# Altium PCB FlatSat Half 2.PcbDoc (part 3 of 9)
Units mil, origin at the board's own origin, x right, y up, seen from the top; angles counter-clockwise.
Board outline 4682 x 11604 mil, 4 copper layers (Top Layer, STR GND 1, STR GND 2, Bottom Layer), stack 33.434 mil thick; 231 components, 255 nets, 990 pads, 1104 vias.
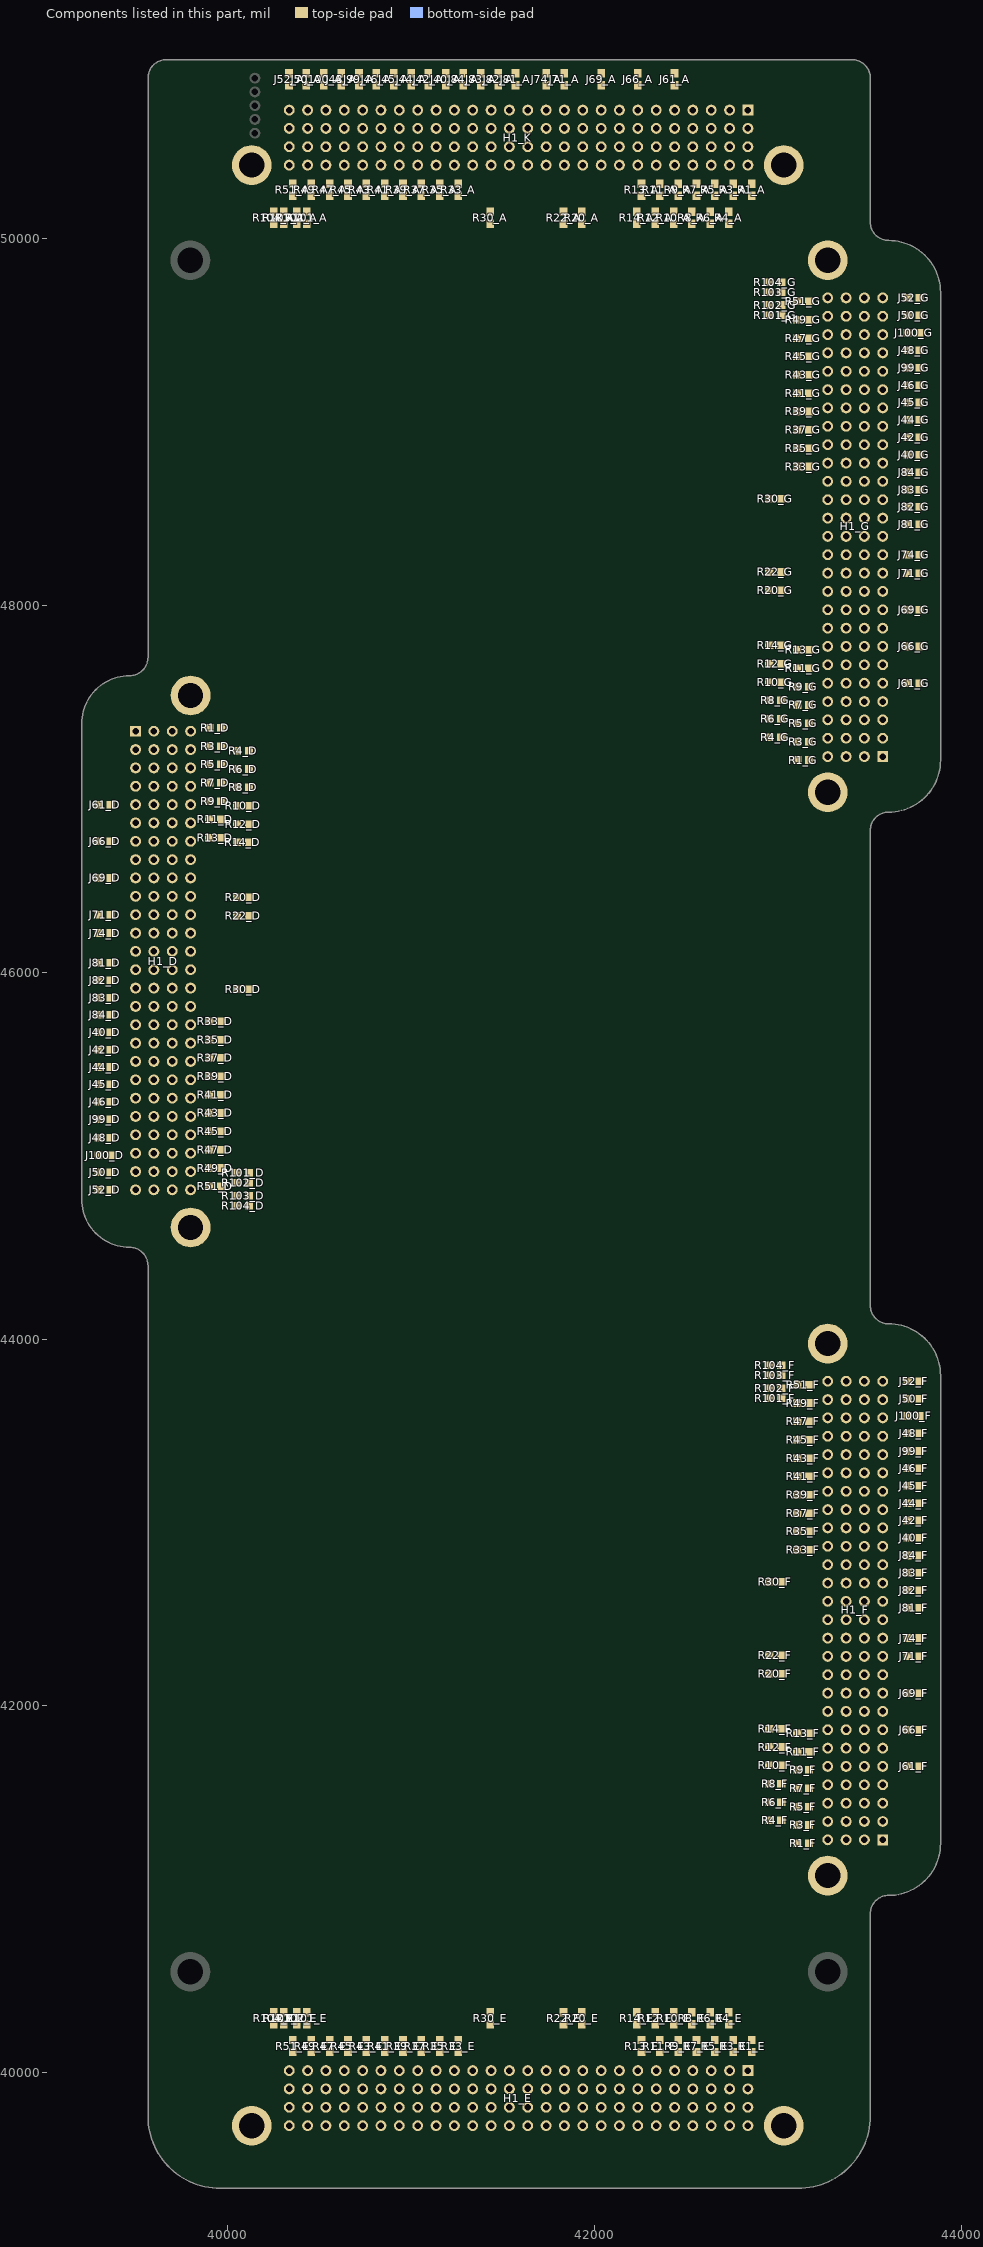
[diagram p5: the components of this part, seen from the top]

## Design rules (kind name [scope] priority, off if disabled: settings) (continued)
Width "Schematic Width Constraint_1008" [InNet('GND_16')] p80: maxlimit=26 minlimit=8 preferedwidth=26
Width "Schematic Width Constraint_1007" [InNet('GND_15')] p81: maxlimit=26 minlimit=8 preferedwidth=26
Width "Schematic Width Constraint_1006" [InNet('GND_15')] p82: maxlimit=26 minlimit=8 preferedwidth=26
Width "Schematic Width Constraint_1005" [InNet('GND_15')] p83: maxlimit=26 minlimit=8 preferedwidth=26
Width "Schematic Width Constraint_1004" [InNet('GND_15')] p84: maxlimit=26 minlimit=8 preferedwidth=26
Width "Schematic Width Constraint_1003" [InNet('GND_15')] p85: maxlimit=26 minlimit=8 preferedwidth=26
Width "Schematic Width Constraint_1002" [InNet('GND_15')] p86: maxlimit=26 minlimit=8 preferedwidth=26
Width "Schematic Width Constraint_1001" [InNet('GND_15')] p87: maxlimit=26 minlimit=8 preferedwidth=26
Width "Schematic Width Constraint_1000" [InNet('GND_15')] p88: maxlimit=26 minlimit=8 preferedwidth=26
Width "Schematic Width Constraint_999" [InNet('GND_14')] p89: maxlimit=26 minlimit=8 preferedwidth=26
Width "Schematic Width Constraint_998" [InNet('GND_14')] p90: maxlimit=26 minlimit=8 preferedwidth=26
Width "Schematic Width Constraint_997" [InNet('GND_14')] p91: maxlimit=26 minlimit=8 preferedwidth=26
Width "Schematic Width Constraint_996" [InNet('GND_14')] p92: maxlimit=26 minlimit=8 preferedwidth=26
Width "Schematic Width Constraint_995" [InNet('GND_14')] p93: maxlimit=26 minlimit=8 preferedwidth=26
Width "Schematic Width Constraint_994" [InNet('GND_14')] p94: maxlimit=26 minlimit=8 preferedwidth=26
Width "Schematic Width Constraint_993" [InNet('GND_14')] p95: maxlimit=26 minlimit=8 preferedwidth=26
Width "Schematic Width Constraint_992" [InNet('GND_14')] p96: maxlimit=26 minlimit=8 preferedwidth=26
Width "Schematic Width Constraint_991" [InNet('GND_13')] p97: maxlimit=26 minlimit=8 preferedwidth=26
Width "Schematic Width Constraint_990" [InNet('GND_13')] p98: maxlimit=26 minlimit=8 preferedwidth=26
Width "Schematic Width Constraint_989" [InNet('GND_13')] p99: maxlimit=26 minlimit=8 preferedwidth=26
Width "Schematic Width Constraint_988" [InNet('GND_13')] p100: maxlimit=26 minlimit=8 preferedwidth=26
Width "Schematic Width Constraint_987" [InNet('GND_13')] p101: maxlimit=26 minlimit=8 preferedwidth=26
Width "Schematic Width Constraint_986" [InNet('GND_13')] p102: maxlimit=26 minlimit=8 preferedwidth=26
Width "Schematic Width Constraint_985" [InNet('GND_13')] p103: maxlimit=26 minlimit=8 preferedwidth=26
Width "Schematic Width Constraint_984" [InNet('GND_13')] p104: maxlimit=26 minlimit=8 preferedwidth=26
Width "Schematic Width Constraint_983" [InNet('GND_12')] p105: maxlimit=26 minlimit=8 preferedwidth=26
Width "Schematic Width Constraint_982" [InNet('GND_12')] p106: maxlimit=26 minlimit=8 preferedwidth=26
Width "Schematic Width Constraint_981" [InNet('GND_12')] p107: maxlimit=26 minlimit=8 preferedwidth=26
Width "Schematic Width Constraint_980" [InNet('GND_12')] p108: maxlimit=26 minlimit=8 preferedwidth=26
Width "Schematic Width Constraint_979" [InNet('GND_12')] p109: maxlimit=26 minlimit=8 preferedwidth=26
Width "Schematic Width Constraint_978" [InNet('GND_12')] p110: maxlimit=26 minlimit=8 preferedwidth=26
Width "Schematic Width Constraint_977" [InNet('GND_12')] p111: maxlimit=26 minlimit=8 preferedwidth=26
Width "Schematic Width Constraint_976" [InNet('GND_12')] p112: maxlimit=26 minlimit=8 preferedwidth=26
Width "Schematic Width Constraint_975" [InNet('GND_11')] p113: maxlimit=26 minlimit=8 preferedwidth=26
Width "Schematic Width Constraint_974" [InNet('GND_11')] p114: maxlimit=26 minlimit=8 preferedwidth=26
Width "Schematic Width Constraint_973" [InNet('GND_11')] p115: maxlimit=26 minlimit=8 preferedwidth=26
Width "Schematic Width Constraint_972" [InNet('GND_11')] p116: maxlimit=26 minlimit=8 preferedwidth=26
Width "Schematic Width Constraint_971" [InNet('GND_11')] p117: maxlimit=26 minlimit=8 preferedwidth=26
Width "Schematic Width Constraint_970" [InNet('GND_11')] p118: maxlimit=26 minlimit=8 preferedwidth=26
Width "Schematic Width Constraint_969" [InNet('GND_11')] p119: maxlimit=26 minlimit=8 preferedwidth=26
Width "Schematic Width Constraint_968" [InNet('GND_11')] p120: maxlimit=26 minlimit=8 preferedwidth=26
Width "Schematic Width Constraint_967" [InNet('GND_10')] p121: maxlimit=26 minlimit=8 preferedwidth=26
Width "Schematic Width Constraint_966" [InNet('GND_10')] p122: maxlimit=26 minlimit=8 preferedwidth=26
Width "Schematic Width Constraint_965" [InNet('GND_10')] p123: maxlimit=26 minlimit=8 preferedwidth=26
Width "Schematic Width Constraint_964" [InNet('GND_10')] p124: maxlimit=26 minlimit=8 preferedwidth=26
Width "Schematic Width Constraint_963" [InNet('GND_10')] p125: maxlimit=26 minlimit=8 preferedwidth=26
Width "Schematic Width Constraint_962" [InNet('GND_10')] p126: maxlimit=26 minlimit=8 preferedwidth=26
Width "Schematic Width Constraint_961" [InNet('GND_10')] p127: maxlimit=26 minlimit=8 preferedwidth=26
Width "Schematic Width Constraint_960" [InNet('GND_10')] p128: maxlimit=26 minlimit=8 preferedwidth=26
Width "Schematic Width Constraint_959" [InNet('GND_9')] p129: maxlimit=26 minlimit=8 preferedwidth=26
Width "Schematic Width Constraint_958" [InNet('GND_9')] p130: maxlimit=26 minlimit=8 preferedwidth=26
Width "Schematic Width Constraint_957" [InNet('GND_9')] p131: maxlimit=26 minlimit=8 preferedwidth=26
Width "Schematic Width Constraint_956" [InNet('GND_9')] p132: maxlimit=26 minlimit=8 preferedwidth=26
Width "Schematic Width Constraint_955" [InNet('GND_9')] p133: maxlimit=26 minlimit=8 preferedwidth=26
Width "Schematic Width Constraint_954" [InNet('GND_9')] p134: maxlimit=26 minlimit=8 preferedwidth=26
Width "Schematic Width Constraint_953" [InNet('GND_9')] p135: maxlimit=26 minlimit=8 preferedwidth=26
Width "Schematic Width Constraint_952" [InNet('GND_9')] p136: maxlimit=26 minlimit=8 preferedwidth=26
Width "Schematic Width Constraint_951" [InNet('SW10_3V3#2_ADCS')] p137: maxlimit=26 minlimit=8 preferedwidth=26
Width "Schematic Width Constraint_950" [InNet('SW10_3V3#2_ADCS')] p138: maxlimit=26 minlimit=8 preferedwidth=26
Width "Schematic Width Constraint_949" [InNet('SW10_3V3#2_ADCS')] p139: maxlimit=26 minlimit=8 preferedwidth=26
Width "Schematic Width Constraint_948" [InNet('SW10_3V3#2_ADCS')] p140: maxlimit=26 minlimit=8 preferedwidth=26
Width "Schematic Width Constraint_947" [InNet('SW10_3V3#2_ADCS')] p141: maxlimit=26 minlimit=8 preferedwidth=26
Width "Schematic Width Constraint_946" [InNet('SW10_3V3#2_ADCS')] p142: maxlimit=26 minlimit=8 preferedwidth=26
Width "Schematic Width Constraint_945" [InNet('SW10_3V3#2_ADCS')] p143: maxlimit=26 minlimit=8 preferedwidth=26
Width "Schematic Width Constraint_944" [InNet('SW10_3V3#2_ADCS')] p144: maxlimit=26 minlimit=8 preferedwidth=26
Width "Schematic Width Constraint_943" [InNet('SW9_3V3#1_ADCS')] p145: maxlimit=26 minlimit=8 preferedwidth=26
Width "Schematic Width Constraint_942" [InNet('SW9_3V3#1_ADCS')] p146: maxlimit=26 minlimit=8 preferedwidth=26
Width "Schematic Width Constraint_941" [InNet('SW9_3V3#1_ADCS')] p147: maxlimit=26 minlimit=8 preferedwidth=26
Width "Schematic Width Constraint_940" [InNet('SW9_3V3#1_ADCS')] p148: maxlimit=26 minlimit=8 preferedwidth=26
Width "Schematic Width Constraint_939" [InNet('SW9_3V3#1_ADCS')] p149: maxlimit=26 minlimit=8 preferedwidth=26
Width "Schematic Width Constraint_938" [InNet('SW9_3V3#1_ADCS')] p150: maxlimit=26 minlimit=8 preferedwidth=26
Width "Schematic Width Constraint_937" [InNet('SW9_3V3#1_ADCS')] p151: maxlimit=26 minlimit=8 preferedwidth=26
Width "Schematic Width Constraint_936" [InNet('SW9_3V3#1_ADCS')] p152: maxlimit=26 minlimit=8 preferedwidth=26
Width "Schematic Width Constraint_935" [InNet('SW8_3V3_THM')] p153: maxlimit=26 minlimit=8 preferedwidth=26
Width "Schematic Width Constraint_934" [InNet('SW8_3V3_THM')] p154: maxlimit=26 minlimit=8 preferedwidth=26
Width "Schematic Width Constraint_933" [InNet('SW8_3V3_THM')] p155: maxlimit=26 minlimit=8 preferedwidth=26
Width "Schematic Width Constraint_932" [InNet('SW8_3V3_THM')] p156: maxlimit=26 minlimit=8 preferedwidth=26
Width "Schematic Width Constraint_931" [InNet('SW8_3V3_THM')] p157: maxlimit=26 minlimit=8 preferedwidth=26
Width "Schematic Width Constraint_930" [InNet('SW8_3V3_THM')] p158: maxlimit=26 minlimit=8 preferedwidth=26
Width "Schematic Width Constraint_929" [InNet('SW8_3V3_THM')] p159: maxlimit=26 minlimit=8 preferedwidth=26
Width "Schematic Width Constraint_928" [InNet('SW8_3V3_THM')] p160: maxlimit=26 minlimit=8 preferedwidth=26
Width "Schematic Width Constraint_927" [InNet('SW7_5V#2_ADCS')] p161: maxlimit=26 minlimit=8 preferedwidth=26
Width "Schematic Width Constraint_926" [InNet('SW7_5V#2_ADCS')] p162: maxlimit=26 minlimit=8 preferedwidth=26
Width "Schematic Width Constraint_925" [InNet('SW7_5V#2_ADCS')] p163: maxlimit=26 minlimit=8 preferedwidth=26
Width "Schematic Width Constraint_924" [InNet('SW7_5V#2_ADCS')] p164: maxlimit=26 minlimit=8 preferedwidth=26
Width "Schematic Width Constraint_923" [InNet('SW7_5V#2_ADCS')] p165: maxlimit=26 minlimit=8 preferedwidth=26
Width "Schematic Width Constraint_922" [InNet('SW7_5V#2_ADCS')] p166: maxlimit=26 minlimit=8 preferedwidth=26
Width "Schematic Width Constraint_921" [InNet('SW7_5V#2_ADCS')] p167: maxlimit=26 minlimit=8 preferedwidth=26
Width "Schematic Width Constraint_920" [InNet('SW7_5V#2_ADCS')] p168: maxlimit=26 minlimit=8 preferedwidth=26
Width "Schematic Width Constraint_919" [InNet('SW6_5V#1_ADCS')] p169: maxlimit=26 minlimit=8 preferedwidth=26
Width "Schematic Width Constraint_918" [InNet('SW6_5V#1_ADCS')] p170: maxlimit=26 minlimit=8 preferedwidth=26
Width "Schematic Width Constraint_917" [InNet('SW6_5V#1_ADCS')] p171: maxlimit=26 minlimit=8 preferedwidth=26
Width "Schematic Width Constraint_916" [InNet('SW6_5V#1_ADCS')] p172: maxlimit=26 minlimit=8 preferedwidth=26
Width "Schematic Width Constraint_915" [InNet('SW6_5V#1_ADCS')] p173: maxlimit=26 minlimit=8 preferedwidth=26
Width "Schematic Width Constraint_914" [InNet('SW6_5V#1_ADCS')] p174: maxlimit=26 minlimit=8 preferedwidth=26
Width "Schematic Width Constraint_913" [InNet('SW6_5V#1_ADCS')] p175: maxlimit=26 minlimit=8 preferedwidth=26
Width "Schematic Width Constraint_912" [InNet('SW6_5V#1_ADCS')] p176: maxlimit=26 minlimit=8 preferedwidth=26
Width "Schematic Width Constraint_911" [InNet('SW5_5V_PL')] p177: maxlimit=26 minlimit=8 preferedwidth=26
Width "Schematic Width Constraint_910" [InNet('SW5_5V_PL')] p178: maxlimit=26 minlimit=8 preferedwidth=26
Width "Schematic Width Constraint_909" [InNet('SW5_5V_PL')] p179: maxlimit=26 minlimit=8 preferedwidth=26
Width "Schematic Width Constraint_908" [InNet('SW5_5V_PL')] p180: maxlimit=26 minlimit=8 preferedwidth=26
Width "Schematic Width Constraint_907" [InNet('SW5_5V_PL')] p181: maxlimit=26 minlimit=8 preferedwidth=26
Width "Schematic Width Constraint_906" [InNet('SW5_5V_PL')] p182: maxlimit=26 minlimit=8 preferedwidth=26
Width "Schematic Width Constraint_905" [InNet('SW5_5V_PL')] p183: maxlimit=26 minlimit=8 preferedwidth=26
Width "Schematic Width Constraint_904" [InNet('SW5_5V_PL')] p184: maxlimit=26 minlimit=8 preferedwidth=26
Width "Schematic Width Constraint_903" [InNet('SW4_BAT_2SMARD')] p185: maxlimit=26 minlimit=8 preferedwidth=26
Width "Schematic Width Constraint_902" [InNet('SW4_BAT_2SMARD')] p186: maxlimit=26 minlimit=8 preferedwidth=26
Width "Schematic Width Constraint_901" [InNet('SW4_BAT_2SMARD')] p187: maxlimit=26 minlimit=8 preferedwidth=26
Width "Schematic Width Constraint_900" [InNet('SW4_BAT_2SMARD')] p188: maxlimit=26 minlimit=8 preferedwidth=26
Width "Schematic Width Constraint_899" [InNet('SW4_BAT_2SMARD')] p189: maxlimit=26 minlimit=8 preferedwidth=26
Width "Schematic Width Constraint_898" [InNet('SW4_BAT_2SMARD')] p190: maxlimit=26 minlimit=8 preferedwidth=26
Width "Schematic Width Constraint_897" [InNet('SW4_BAT_2SMARD')] p191: maxlimit=26 minlimit=8 preferedwidth=26
Width "Schematic Width Constraint_896" [InNet('SW4_BAT_2SMARD')] p192: maxlimit=26 minlimit=8 preferedwidth=26
Width "Schematic Width Constraint_895" [InNet('SW3_BAT_2SMARD')] p193: maxlimit=26 minlimit=8 preferedwidth=26
Width "Schematic Width Constraint_894" [InNet('SW3_BAT_2SMARD')] p194: maxlimit=26 minlimit=8 preferedwidth=26
Width "Schematic Width Constraint_893" [InNet('SW3_BAT_2SMARD')] p195: maxlimit=26 minlimit=8 preferedwidth=26
Width "Schematic Width Constraint_892" [InNet('SW3_BAT_2SMARD')] p196: maxlimit=26 minlimit=8 preferedwidth=26
Width "Schematic Width Constraint_891" [InNet('SW3_BAT_2SMARD')] p197: maxlimit=26 minlimit=8 preferedwidth=26
Width "Schematic Width Constraint_890" [InNet('SW3_BAT_2SMARD')] p198: maxlimit=26 minlimit=8 preferedwidth=26
Width "Schematic Width Constraint_889" [InNet('SW3_BAT_2SMARD')] p199: maxlimit=26 minlimit=8 preferedwidth=26
Width "Schematic Width Constraint_888" [InNet('SW3_BAT_2SMARD')] p200: maxlimit=26 minlimit=8 preferedwidth=26
Width "Schematic Width Constraint_887" [InNet('SW2_12V')] p201: maxlimit=26 minlimit=8 preferedwidth=26
Width "Schematic Width Constraint_886" [InNet('SW2_12V')] p202: maxlimit=26 minlimit=8 preferedwidth=26
Width "Schematic Width Constraint_885" [InNet('SW2_12V')] p203: maxlimit=26 minlimit=8 preferedwidth=26
Width "Schematic Width Constraint_884" [InNet('SW2_12V')] p204: maxlimit=26 minlimit=8 preferedwidth=26
Width "Schematic Width Constraint_883" [InNet('SW2_12V')] p205: maxlimit=26 minlimit=8 preferedwidth=26
Width "Schematic Width Constraint_882" [InNet('SW2_12V')] p206: maxlimit=26 minlimit=8 preferedwidth=26
Width "Schematic Width Constraint_881" [InNet('SW2_12V')] p207: maxlimit=26 minlimit=8 preferedwidth=26
Width "Schematic Width Constraint_880" [InNet('SW2_12V')] p208: maxlimit=26 minlimit=8 preferedwidth=26
Width "Schematic Width Constraint_879" [InNet('SW1_12V_SBAND')] p209: maxlimit=26 minlimit=8 preferedwidth=26
Width "Schematic Width Constraint_878" [InNet('SW1_12V_SBAND')] p210: maxlimit=26 minlimit=8 preferedwidth=26
Width "Schematic Width Constraint_877" [InNet('SW1_12V_SBAND')] p211: maxlimit=26 minlimit=8 preferedwidth=26
Width "Schematic Width Constraint_876" [InNet('SW1_12V_SBAND')] p212: maxlimit=26 minlimit=8 preferedwidth=26
Width "Schematic Width Constraint_875" [InNet('SW1_12V_SBAND')] p213: maxlimit=26 minlimit=8 preferedwidth=26
Width "Schematic Width Constraint_874" [InNet('SW1_12V_SBAND')] p214: maxlimit=26 minlimit=8 preferedwidth=26
Width "Schematic Width Constraint_873" [InNet('SW1_12V_SBAND')] p215: maxlimit=26 minlimit=8 preferedwidth=26
Width "Schematic Width Constraint_872" [InNet('SW1_12V_SBAND')] p216: maxlimit=26 minlimit=8 preferedwidth=26
Width "Schematic Width Constraint_871" [InNet('SEP_SW2')] p217: maxlimit=26 minlimit=8 preferedwidth=26
Width "Schematic Width Constraint_870" [InNet('SEP_SW2')] p218: maxlimit=26 minlimit=8 preferedwidth=26
Width "Schematic Width Constraint_869" [InNet('SEP_SW2')] p219: maxlimit=26 minlimit=8 preferedwidth=26
Width "Schematic Width Constraint_868" [InNet('SEP_SW2')] p220: maxlimit=26 minlimit=8 preferedwidth=26
Width "Schematic Width Constraint_867" [InNet('SEP_SW2')] p221: maxlimit=26 minlimit=8 preferedwidth=26
Width "Schematic Width Constraint_866" [InNet('SEP_SW2')] p222: maxlimit=26 minlimit=8 preferedwidth=26
Width "Schematic Width Constraint_865" [InNet('SEP_SW2')] p223: maxlimit=26 minlimit=8 preferedwidth=26
Width "Schematic Width Constraint_864" [InNet('SEP_SW2')] p224: maxlimit=26 minlimit=8 preferedwidth=26
Width "Schematic Width Constraint_863" [InNet('SEP_SW1')] p225: maxlimit=26 minlimit=8 preferedwidth=26
Width "Schematic Width Constraint_862" [InNet('SEP_SW1')] p226: maxlimit=26 minlimit=8 preferedwidth=26
Width "Schematic Width Constraint_861" [InNet('SEP_SW1')] p227: maxlimit=26 minlimit=8 preferedwidth=26
Width "Schematic Width Constraint_860" [InNet('SEP_SW1')] p228: maxlimit=26 minlimit=8 preferedwidth=26
Width "Schematic Width Constraint_859" [InNet('SEP_SW1')] p229: maxlimit=26 minlimit=8 preferedwidth=26
Width "Schematic Width Constraint_858" [InNet('SEP_SW1')] p230: maxlimit=26 minlimit=8 preferedwidth=26
Width "Schematic Width Constraint_857" [InNet('SEP_SW1')] p231: maxlimit=26 minlimit=8 preferedwidth=26
Width "Schematic Width Constraint_856" [InNet('SEP_SW1')] p232: maxlimit=26 minlimit=8 preferedwidth=26
Width "Schematic Width Constraint_855" [InNet('BAT_POS_2')] p233: maxlimit=26 minlimit=8 preferedwidth=26
Width "Schematic Width Constraint_854" [InNet('BAT_POS_2')] p234: maxlimit=26 minlimit=8 preferedwidth=26
Width "Schematic Width Constraint_853" [InNet('BAT_POS_2')] p235: maxlimit=26 minlimit=8 preferedwidth=26
Width "Schematic Width Constraint_852" [InNet('BAT_POS_2')] p236: maxlimit=26 minlimit=8 preferedwidth=26
Width "Schematic Width Constraint_851" [InNet('BAT_POS_2')] p237: maxlimit=26 minlimit=8 preferedwidth=26
Width "Schematic Width Constraint_850" [InNet('BAT_POS_2')] p238: maxlimit=26 minlimit=8 preferedwidth=26
Width "Schematic Width Constraint_849" [InNet('BAT_POS_2')] p239: maxlimit=26 minlimit=8 preferedwidth=26
Width "Schematic Width Constraint_848" [InNet('BAT_POS_2')] p240: maxlimit=26 minlimit=8 preferedwidth=26
Width "Schematic Width Constraint_847" [InNet('BAT_POS_1')] p241: maxlimit=26 minlimit=8 preferedwidth=26
Width "Schematic Width Constraint_846" [InNet('BAT_POS_1')] p242: maxlimit=26 minlimit=8 preferedwidth=26
Width "Schematic Width Constraint_845" [InNet('BAT_POS_1')] p243: maxlimit=26 minlimit=8 preferedwidth=26
Width "Schematic Width Constraint_844" [InNet('BCR_OUT_4')] p244: maxlimit=26 minlimit=8 preferedwidth=26
Width "Schematic Width Constraint_843" [InNet('BCR_OUT_4')] p245: maxlimit=26 minlimit=8 preferedwidth=26
Width "Schematic Width Constraint_842" [InNet('BCR_OUT_4')] p246: maxlimit=26 minlimit=8 preferedwidth=26
Width "Schematic Width Constraint_841" [InNet('BCR_OUT_4')] p247: maxlimit=26 minlimit=8 preferedwidth=26
Width "Schematic Width Constraint_840" [InNet('BCR_OUT_4')] p248: maxlimit=26 minlimit=8 preferedwidth=26
Width "Schematic Width Constraint_839" [InNet('BCR_OUT_4')] p249: maxlimit=26 minlimit=8 preferedwidth=26
Width "Schematic Width Constraint_838" [InNet('BCR_OUT_4')] p250: maxlimit=26 minlimit=8 preferedwidth=26
Width "Schematic Width Constraint_837" [InNet('BCR_OUT_4')] p251: maxlimit=26 minlimit=8 preferedwidth=26
Width "Schematic Width Constraint_836" [InNet('BCR_OUT_3')] p252: maxlimit=26 minlimit=8 preferedwidth=26
Width "Schematic Width Constraint_835" [InNet('BCR_OUT_3')] p253: maxlimit=26 minlimit=8 preferedwidth=26
Width "Schematic Width Constraint_834" [InNet('BCR_OUT_3')] p254: maxlimit=26 minlimit=8 preferedwidth=26
Width "Schematic Width Constraint_833" [InNet('BCR_OUT_3')] p255: maxlimit=26 minlimit=8 preferedwidth=26
Width "Schematic Width Constraint_832" [InNet('BCR_OUT_3')] p256: maxlimit=26 minlimit=8 preferedwidth=26
Width "Schematic Width Constraint_831" [InNet('BCR_OUT_3')] p257: maxlimit=26 minlimit=8 preferedwidth=26
Width "Schematic Width Constraint_830" [InNet('BCR_OUT_3')] p258: maxlimit=26 minlimit=8 preferedwidth=26
Width "Schematic Width Constraint_829" [InNet('BCR_OUT_3')] p259: maxlimit=26 minlimit=8 preferedwidth=26
Width "Schematic Width Constraint_828" [InNet('BCR_OUT_2')] p260: maxlimit=26 minlimit=8 preferedwidth=26
Width "Schematic Width Constraint_827" [InNet('BCR_OUT_2')] p261: maxlimit=26 minlimit=8 preferedwidth=26
Width "Schematic Width Constraint_826" [InNet('BCR_OUT_2')] p262: maxlimit=26 minlimit=8 preferedwidth=26
Width "Schematic Width Constraint_825" [InNet('BCR_OUT_2')] p263: maxlimit=26 minlimit=8 preferedwidth=26
Width "Schematic Width Constraint_824" [InNet('BCR_OUT_2')] p264: maxlimit=26 minlimit=8 preferedwidth=26
Width "Schematic Width Constraint_823" [InNet('BCR_OUT_2')] p265: maxlimit=26 minlimit=8 preferedwidth=26
Width "Schematic Width Constraint_822" [InNet('BCR_OUT_2')] p266: maxlimit=26 minlimit=8 preferedwidth=26
Width "Schematic Width Constraint_821" [InNet('BCR_OUT_2')] p267: maxlimit=26 minlimit=8 preferedwidth=26
Width "Schematic Width Constraint_820" [InNet('BCR_OUT_1')] p268: maxlimit=26 minlimit=8 preferedwidth=26
Width "Schematic Width Constraint_819" [InNet('BCR_OUT_1')] p269: maxlimit=26 minlimit=8 preferedwidth=26
Width "Schematic Width Constraint_818" [InNet('BCR_OUT_1')] p270: maxlimit=26 minlimit=8 preferedwidth=26
Width "Schematic Width Constraint_817" [InNet('BCR_OUT_1')] p271: maxlimit=26 minlimit=8 preferedwidth=26
Width "Schematic Width Constraint_816" [InNet('BCR_OUT_1')] p272: maxlimit=26 minlimit=8 preferedwidth=26
Width "Schematic Width Constraint_815" [InNet('BCR_OUT_1')] p273: maxlimit=26 minlimit=8 preferedwidth=26
Width "Schematic Width Constraint_814" [InNet('BCR_OUT_1')] p274: maxlimit=26 minlimit=8 preferedwidth=26
Width "Schematic Width Constraint_813" [InNet('BCR_OUT_1')] p275: maxlimit=26 minlimit=8 preferedwidth=26
Width "Schematic Width Constraint_812" [InNet('BATV_BUS_2')] p276: maxlimit=26 minlimit=8 preferedwidth=26
Width "Schematic Width Constraint_811" [InNet('BATV_BUS_2')] p277: maxlimit=26 minlimit=8 preferedwidth=26
Width "Schematic Width Constraint_810" [InNet('BATV_BUS_2')] p278: maxlimit=26 minlimit=8 preferedwidth=26
Width "Schematic Width Constraint_809" [InNet('BATV_BUS_2')] p279: maxlimit=26 minlimit=8 preferedwidth=26
Width "Schematic Width Constraint_808" [InNet('BATV_BUS_2')] p280: maxlimit=26 minlimit=8 preferedwidth=26
Width "Schematic Width Constraint_807" [InNet('BATV_BUS_2')] p281: maxlimit=26 minlimit=8 preferedwidth=26
Width "Schematic Width Constraint_806" [InNet('BATV_BUS_2')] p282: maxlimit=26 minlimit=8 preferedwidth=26
Width "Schematic Width Constraint_805" [InNet('BATV_BUS_2')] p283: maxlimit=26 minlimit=8 preferedwidth=26
Width "Schematic Width Constraint_804" [InNet('BATV_BUS_1')] p284: maxlimit=26 minlimit=8 preferedwidth=26
Width "Schematic Width Constraint_803" [InNet('BATV_BUS_1')] p285: maxlimit=26 minlimit=8 preferedwidth=26
Width "Schematic Width Constraint_802" [InNet('BATV_BUS_1')] p286: maxlimit=26 minlimit=8 preferedwidth=26
Width "Schematic Width Constraint_801" [InNet('BATV_BUS_1')] p287: maxlimit=26 minlimit=8 preferedwidth=26
Width "Schematic Width Constraint_800" [InNet('BATV_BUS_1')] p288: maxlimit=26 minlimit=8 preferedwidth=26
Width "Schematic Width Constraint_799" [InNet('BATV_BUS_1')] p289: maxlimit=26 minlimit=8 preferedwidth=26
Width "Schematic Width Constraint_798" [InNet('BATV_BUS_1')] p290: maxlimit=26 minlimit=8 preferedwidth=26
Width "Schematic Width Constraint_797" [InNet('BATV_BUS_1')] p291: maxlimit=26 minlimit=8 preferedwidth=26
Width "Schematic Width Constraint_796" [InNet('BAT_POS_1')] p292: maxlimit=26 minlimit=8 preferedwidth=26
Width "Schematic Width Constraint_795" [InNet('BAT_POS_1')] p293: maxlimit=26 minlimit=8 preferedwidth=26
Width "Schematic Width Constraint_794" [InNet('BAT_POS_1')] p294: maxlimit=26 minlimit=8 preferedwidth=26
Width "Schematic Width Constraint_793" [InNet('BAT_POS_1')] p295: maxlimit=26 minlimit=8 preferedwidth=26
Width "Schematic Width Constraint_792" [InNet('BAT_POS_1')] p296: maxlimit=26 minlimit=8 preferedwidth=26
Width "Schematic Width Constraint_791" [InNet('12V_BUS_2')] p297: maxlimit=26 minlimit=8 preferedwidth=26
Width "Schematic Width Constraint_790" [InNet('12V_BUS_2')] p298: maxlimit=26 minlimit=8 preferedwidth=26
Width "Schematic Width Constraint_789" [InNet('12V_BUS_2')] p299: maxlimit=26 minlimit=8 preferedwidth=26
Width "Schematic Width Constraint_788" [InNet('12V_BUS_2')] p300: maxlimit=26 minlimit=8 preferedwidth=26
Width "Schematic Width Constraint_787" [InNet('12V_BUS_2')] p301: maxlimit=26 minlimit=8 preferedwidth=26
Width "Schematic Width Constraint_786" [InNet('12V_BUS_2')] p302: maxlimit=26 minlimit=8 preferedwidth=26
Width "Schematic Width Constraint_785" [InNet('12V_BUS_2')] p303: maxlimit=26 minlimit=8 preferedwidth=26
Width "Schematic Width Constraint_784" [InNet('12V_BUS_2')] p304: maxlimit=26 minlimit=8 preferedwidth=26
Width "Schematic Width Constraint_783" [InNet('12V_BUS_1')] p305: maxlimit=26 minlimit=8 preferedwidth=26
Width "Schematic Width Constraint_782" [InNet('12V_BUS_1')] p306: maxlimit=26 minlimit=8 preferedwidth=26
Width "Schematic Width Constraint_781" [InNet('12V_BUS_1')] p307: maxlimit=26 minlimit=8 preferedwidth=26
Width "Schematic Width Constraint_780" [InNet('12V_BUS_1')] p308: maxlimit=26 minlimit=8 preferedwidth=26
Width "Schematic Width Constraint_779" [InNet('12V_BUS_1')] p309: maxlimit=26 minlimit=8 preferedwidth=26
Width "Schematic Width Constraint_778" [InNet('12V_BUS_1')] p310: maxlimit=26 minlimit=8 preferedwidth=26
Width "Schematic Width Constraint_777" [InNet('12V_BUS_1')] p311: maxlimit=26 minlimit=8 preferedwidth=26
Width "Schematic Width Constraint_776" [InNet('12V_BUS_1')] p312: maxlimit=26 minlimit=8 preferedwidth=26
Width "Schematic Width Constraint_775" [InNet('5V_BUS_2')] p313: maxlimit=26 minlimit=8 preferedwidth=26
Width "Schematic Width Constraint_774" [InNet('5V_BUS_2')] p314: maxlimit=26 minlimit=8 preferedwidth=26
Width "Schematic Width Constraint_773" [InNet('5V_BUS_2')] p315: maxlimit=26 minlimit=8 preferedwidth=26
Width "Schematic Width Constraint_772" [InNet('5V_BUS_2')] p316: maxlimit=26 minlimit=8 preferedwidth=26
Width "Schematic Width Constraint_771" [InNet('5V_BUS_2')] p317: maxlimit=26 minlimit=8 preferedwidth=26
Width "Schematic Width Constraint_770" [InNet('5V_BUS_2')] p318: maxlimit=26 minlimit=8 preferedwidth=26
Width "Schematic Width Constraint_769" [InNet('5V_BUS_2')] p319: maxlimit=26 minlimit=8 preferedwidth=26
Width "Schematic Width Constraint_768" [InNet('5V_BUS_2')] p320: maxlimit=26 minlimit=8 preferedwidth=26
Width "Schematic Width Constraint_767" [InNet('5V_BUS_1')] p321: maxlimit=26 minlimit=8 preferedwidth=26
Width "Schematic Width Constraint_766" [InNet('5V_BUS_1')] p322: maxlimit=26 minlimit=8 preferedwidth=26
Width "Schematic Width Constraint_765" [InNet('5V_BUS_1')] p323: maxlimit=26 minlimit=8 preferedwidth=26
Width "Schematic Width Constraint_764" [InNet('5V_BUS_1')] p324: maxlimit=26 minlimit=8 preferedwidth=26
Width "Schematic Width Constraint_763" [InNet('5V_BUS_1')] p325: maxlimit=26 minlimit=8 preferedwidth=26
Width "Schematic Width Constraint_762" [InNet('5V_BUS_1')] p326: maxlimit=26 minlimit=8 preferedwidth=26
Width "Schematic Width Constraint_761" [InNet('5V_BUS_1')] p327: maxlimit=26 minlimit=8 preferedwidth=26
Width "Schematic Width Constraint_760" [InNet('5V_BUS_1')] p328: maxlimit=26 minlimit=8 preferedwidth=26
Width "Schematic Width Constraint_759" [InNet('3V3_BUS_2')] p329: maxlimit=26 minlimit=8 preferedwidth=26
Width "Schematic Width Constraint_758" [InNet('3V3_BUS_2')] p330: maxlimit=26 minlimit=8 preferedwidth=26
Width "Schematic Width Constraint_757" [InNet('3V3_BUS_2')] p331: maxlimit=26 minlimit=8 preferedwidth=26
Width "Schematic Width Constraint_756" [InNet('3V3_BUS_2')] p332: maxlimit=26 minlimit=8 preferedwidth=26
Width "Schematic Width Constraint_755" [InNet('3V3_BUS_2')] p333: maxlimit=26 minlimit=8 preferedwidth=26
Width "Schematic Width Constraint_754" [InNet('3V3_BUS_2')] p334: maxlimit=26 minlimit=8 preferedwidth=26
Width "Schematic Width Constraint_753" [InNet('3V3_BUS_2')] p335: maxlimit=26 minlimit=8 preferedwidth=26
Width "Schematic Width Constraint_752" [InNet('3V3_BUS_2')] p336: maxlimit=26 minlimit=8 preferedwidth=26
Width "Schematic Width Constraint_751" [InNet('3V3_BUS_1')] p337: maxlimit=26 minlimit=8 preferedwidth=26
Width "Schematic Width Constraint_750" [InNet('3V3_BUS_1')] p338: maxlimit=26 minlimit=8 preferedwidth=26
Width "Schematic Width Constraint_749" [InNet('3V3_BUS_1')] p339: maxlimit=26 minlimit=8 preferedwidth=26
Width "Schematic Width Constraint_748" [InNet('3V3_BUS_1')] p340: maxlimit=26 minlimit=8 preferedwidth=26
Width "Schematic Width Constraint_747" [InNet('3V3_BUS_1')] p341: maxlimit=26 minlimit=8 preferedwidth=26
Width "Schematic Width Constraint_746" [InNet('3V3_BUS_1')] p342: maxlimit=26 minlimit=8 preferedwidth=26
Width "Schematic Width Constraint_745" [InNet('3V3_BUS_1')] p343: maxlimit=26 minlimit=8 preferedwidth=26
Width "Schematic Width Constraint_743" [InNet('RESERVED_4')] p344: maxlimit=10 minlimit=8 preferedwidth=8
Width "Schematic Width Constraint_742" [InNet('RESERVED_3')] p345: maxlimit=10 minlimit=8 preferedwidth=8
Width "Schematic Width Constraint_741" [InNet('RESERVED_3')] p346: maxlimit=10 minlimit=8 preferedwidth=8
Width "Schematic Width Constraint_740" [InNet('RESERVED_3')] p347: maxlimit=10 minlimit=8 preferedwidth=8
Width "Schematic Width Constraint_739" [InNet('RESERVED_3')] p348: maxlimit=10 minlimit=8 preferedwidth=8
Width "Schematic Width Constraint_738" [InNet('RESERVED_3')] p349: maxlimit=10 minlimit=8 preferedwidth=8
Width "Schematic Width Constraint_737" [InNet('RESERVED_3')] p350: maxlimit=10 minlimit=8 preferedwidth=8
Width "Schematic Width Constraint_736" [InNet('RESERVED_3')] p351: maxlimit=10 minlimit=8 preferedwidth=8
Width "Schematic Width Constraint_735" [InNet('RESERVED_3')] p352: maxlimit=10 minlimit=8 preferedwidth=8
Width "Schematic Width Constraint_734" [InNet('RESERVED_2')] p353: maxlimit=10 minlimit=8 preferedwidth=8
Width "Schematic Width Constraint_733" [InNet('RESERVED_2')] p354: maxlimit=10 minlimit=8 preferedwidth=8
Width "Schematic Width Constraint_732" [InNet('RESERVED_2')] p355: maxlimit=10 minlimit=8 preferedwidth=8
Width "Schematic Width Constraint_731" [InNet('RESERVED_2')] p356: maxlimit=10 minlimit=8 preferedwidth=8
Width "Schematic Width Constraint_730" [InNet('RESERVED_2')] p357: maxlimit=10 minlimit=8 preferedwidth=8
Width "Schematic Width Constraint_729" [InNet('RESERVED_2')] p358: maxlimit=10 minlimit=8 preferedwidth=8
Width "Schematic Width Constraint_728" [InNet('RESERVED_2')] p359: maxlimit=10 minlimit=8 preferedwidth=8
Width "Schematic Width Constraint_727" [InNet('RESERVED_2')] p360: maxlimit=10 minlimit=8 preferedwidth=8
Width "Schematic Width Constraint_726" [InNet('RESERVED_1')] p361: maxlimit=10 minlimit=8 preferedwidth=8
Width "Schematic Width Constraint_725" [InNet('RESERVED_1')] p362: maxlimit=10 minlimit=8 preferedwidth=8
Width "Schematic Width Constraint_724" [InNet('RESERVED_1')] p363: maxlimit=10 minlimit=8 preferedwidth=8
Width "Schematic Width Constraint_723" [InNet('RESERVED_1')] p364: maxlimit=10 minlimit=8 preferedwidth=8
Width "Schematic Width Constraint_722" [InNet('RESERVED_1')] p365: maxlimit=10 minlimit=8 preferedwidth=8
Width "Schematic Width Constraint_721" [InNet('RESERVED_1')] p366: maxlimit=10 minlimit=8 preferedwidth=8
Width "Schematic Width Constraint_720" [InNet('RESERVED_1')] p367: maxlimit=10 minlimit=8 preferedwidth=8
Width "Schematic Width Constraint_719" [InNet('RESERVED_1')] p368: maxlimit=10 minlimit=8 preferedwidth=8
Width "Schematic Width Constraint_718" [InNet('PWM2SMARD_B')] p369: maxlimit=10 minlimit=8 preferedwidth=8
Width "Schematic Width Constraint_717" [InNet('PWM2SMARD_B')] p370: maxlimit=10 minlimit=8 preferedwidth=8
Width "Schematic Width Constraint_716" [InNet('PWM2SMARD_B')] p371: maxlimit=10 minlimit=8 preferedwidth=8
Width "Schematic Width Constraint_715" [InNet('PWM2SMARD_B')] p372: maxlimit=10 minlimit=8 preferedwidth=8
Width "Schematic Width Constraint_714" [InNet('PWM2SMARD_B')] p373: maxlimit=10 minlimit=8 preferedwidth=8
Width "Schematic Width Constraint_713" [InNet('PWM2SMARD_B')] p374: maxlimit=10 minlimit=8 preferedwidth=8
Width "Schematic Width Constraint_712" [InNet('PWM2SMARD_B')] p375: maxlimit=10 minlimit=8 preferedwidth=8
Width "Schematic Width Constraint_711" [InNet('PWM2SMARD_B')] p376: maxlimit=10 minlimit=8 preferedwidth=8
Width "Schematic Width Constraint_710" [InNet('PWM2SMARD_A')] p377: maxlimit=10 minlimit=8 preferedwidth=8
Width "Schematic Width Constraint_709" [InNet('PWM2SMARD_A')] p378: maxlimit=10 minlimit=8 preferedwidth=8
Width "Schematic Width Constraint_708" [InNet('PWM2SMARD_A')] p379: maxlimit=10 minlimit=8 preferedwidth=8
Width "Schematic Width Constraint_707" [InNet('PWM2SMARD_A')] p380: maxlimit=10 minlimit=8 preferedwidth=8
Width "Schematic Width Constraint_706" [InNet('PWM2SMARD_A')] p381: maxlimit=10 minlimit=8 preferedwidth=8
Width "Schematic Width Constraint_705" [InNet('PWM2SMARD_A')] p382: maxlimit=10 minlimit=8 preferedwidth=8
Width "Schematic Width Constraint_704" [InNet('PWM2SMARD_A')] p383: maxlimit=10 minlimit=8 preferedwidth=8
Width "Schematic Width Constraint_703" [InNet('PWM2SMARD_A')] p384: maxlimit=10 minlimit=8 preferedwidth=8
Width "Schematic Width Constraint_702" [InNet('PAYLOAD_SS5')] p385: maxlimit=10 minlimit=8 preferedwidth=8
Width "Schematic Width Constraint_701" [InNet('PAYLOAD_SS5')] p386: maxlimit=10 minlimit=8 preferedwidth=8
Width "Schematic Width Constraint_700" [InNet('PAYLOAD_SS5')] p387: maxlimit=10 minlimit=8 preferedwidth=8
Width "Schematic Width Constraint_699" [InNet('PAYLOAD_SS5')] p388: maxlimit=10 minlimit=8 preferedwidth=8
Width "Schematic Width Constraint_698" [InNet('PAYLOAD_SS5')] p389: maxlimit=10 minlimit=8 preferedwidth=8
Width "Schematic Width Constraint_697" [InNet('PAYLOAD_SS5')] p390: maxlimit=10 minlimit=8 preferedwidth=8
Width "Schematic Width Constraint_696" [InNet('PAYLOAD_SS5')] p391: maxlimit=10 minlimit=8 preferedwidth=8
Width "Schematic Width Constraint_695" [InNet('PAYLOAD_SS5')] p392: maxlimit=10 minlimit=8 preferedwidth=8
Width "Schematic Width Constraint_694" [InNet('PAYLOAD_SS4')] p393: maxlimit=10 minlimit=8 preferedwidth=8
Width "Schematic Width Constraint_693" [InNet('PAYLOAD_SS4')] p394: maxlimit=10 minlimit=8 preferedwidth=8
Width "Schematic Width Constraint_692" [InNet('PAYLOAD_SS4')] p395: maxlimit=10 minlimit=8 preferedwidth=8
Width "Schematic Width Constraint_691" [InNet('PAYLOAD_SS4')] p396: maxlimit=10 minlimit=8 preferedwidth=8
Width "Schematic Width Constraint_690" [InNet('PAYLOAD_SS4')] p397: maxlimit=10 minlimit=8 preferedwidth=8
Width "Schematic Width Constraint_689" [InNet('PAYLOAD_SS4')] p398: maxlimit=10 minlimit=8 preferedwidth=8
Width "Schematic Width Constraint_688" [InNet('PAYLOAD_SS4')] p399: maxlimit=10 minlimit=8 preferedwidth=8
Width "Schematic Width Constraint_687" [InNet('PAYLOAD_SS4')] p400: maxlimit=10 minlimit=8 preferedwidth=8
Width "Schematic Width Constraint_686" [InNet('PAYLOAD_SS3')] p401: maxlimit=10 minlimit=8 preferedwidth=8
Width "Schematic Width Constraint_685" [InNet('PAYLOAD_SS3')] p402: maxlimit=10 minlimit=8 preferedwidth=8
Width "Schematic Width Constraint_684" [InNet('PAYLOAD_SS3')] p403: maxlimit=10 minlimit=8 preferedwidth=8
Width "Schematic Width Constraint_683" [InNet('PAYLOAD_SS3')] p404: maxlimit=10 minlimit=8 preferedwidth=8
Width "Schematic Width Constraint_682" [InNet('PAYLOAD_SS3')] p405: maxlimit=10 minlimit=8 preferedwidth=8
Width "Schematic Width Constraint_681" [InNet('PAYLOAD_SS3')] p406: maxlimit=10 minlimit=8 preferedwidth=8
Width "Schematic Width Constraint_680" [InNet('PAYLOAD_SS3')] p407: maxlimit=10 minlimit=8 preferedwidth=8
Width "Schematic Width Constraint_679" [InNet('PAYLOAD_SS3')] p408: maxlimit=10 minlimit=8 preferedwidth=8
Width "Schematic Width Constraint_678" [InNet('PAYLOAD_SS2')] p409: maxlimit=10 minlimit=8 preferedwidth=8
Width "Schematic Width Constraint_677" [InNet('PAYLOAD_SS2')] p410: maxlimit=10 minlimit=8 preferedwidth=8
Width "Schematic Width Constraint_676" [InNet('PAYLOAD_SS2')] p411: maxlimit=10 minlimit=8 preferedwidth=8
Width "Schematic Width Constraint_675" [InNet('PAYLOAD_SS2')] p412: maxlimit=10 minlimit=8 preferedwidth=8
Width "Schematic Width Constraint_674" [InNet('PAYLOAD_SS2')] p413: maxlimit=10 minlimit=8 preferedwidth=8
Width "Schematic Width Constraint_673" [InNet('PAYLOAD_SS2')] p414: maxlimit=10 minlimit=8 preferedwidth=8
Width "Schematic Width Constraint_672" [InNet('PAYLOAD_SS2')] p415: maxlimit=10 minlimit=8 preferedwidth=8
Width "Schematic Width Constraint_671" [InNet('PAYLOAD_SS2')] p416: maxlimit=10 minlimit=8 preferedwidth=8
Width "Schematic Width Constraint_670" [InNet('PAYLOAD_SS1')] p417: maxlimit=10 minlimit=8 preferedwidth=8
Width "Schematic Width Constraint_669" [InNet('PAYLOAD_SS1')] p418: maxlimit=10 minlimit=8 preferedwidth=8
Width "Schematic Width Constraint_668" [InNet('PAYLOAD_SS1')] p419: maxlimit=10 minlimit=8 preferedwidth=8
Width "Schematic Width Constraint_667" [InNet('PAYLOAD_SS1')] p420: maxlimit=10 minlimit=8 preferedwidth=8
Width "Schematic Width Constraint_666" [InNet('PAYLOAD_SS1')] p421: maxlimit=10 minlimit=8 preferedwidth=8
Width "Schematic Width Constraint_665" [InNet('PAYLOAD_SS1')] p422: maxlimit=10 minlimit=8 preferedwidth=8
Width "Schematic Width Constraint_664" [InNet('PAYLOAD_SS1')] p423: maxlimit=10 minlimit=8 preferedwidth=8
Width "Schematic Width Constraint_663" [InNet('PAYLOAD_SS1')] p424: maxlimit=10 minlimit=8 preferedwidth=8
Width "Schematic Width Constraint_662" [InNet('MOSI')] p425: maxlimit=10 minlimit=8 preferedwidth=8
Width "Schematic Width Constraint_661" [InNet('MOSI')] p426: maxlimit=10 minlimit=8 preferedwidth=8
Width "Schematic Width Constraint_660" [InNet('MOSI')] p427: maxlimit=10 minlimit=8 preferedwidth=8
Width "Schematic Width Constraint_659" [InNet('MOSI')] p428: maxlimit=10 minlimit=8 preferedwidth=8
Width "Schematic Width Constraint_658" [InNet('MOSI')] p429: maxlimit=10 minlimit=8 preferedwidth=8
Width "Schematic Width Constraint_657" [InNet('MOSI')] p430: maxlimit=10 minlimit=8 preferedwidth=8
Width "Schematic Width Constraint_656" [InNet('MOSI')] p431: maxlimit=10 minlimit=8 preferedwidth=8
Width "Schematic Width Constraint_655" [InNet('MOSI')] p432: maxlimit=10 minlimit=8 preferedwidth=8
Width "Schematic Width Constraint_654" [InNet('MISO')] p433: maxlimit=10 minlimit=8 preferedwidth=8
Width "Schematic Width Constraint_653" [InNet('MISO')] p434: maxlimit=10 minlimit=8 preferedwidth=8
Width "Schematic Width Constraint_652" [InNet('MISO')] p435: maxlimit=10 minlimit=8 preferedwidth=8
Width "Schematic Width Constraint_651" [InNet('MISO')] p436: maxlimit=10 minlimit=8 preferedwidth=8
Width "Schematic Width Constraint_650" [InNet('MISO')] p437: maxlimit=10 minlimit=8 preferedwidth=8
Width "Schematic Width Constraint_649" [InNet('MISO')] p438: maxlimit=10 minlimit=8 preferedwidth=8
Width "Schematic Width Constraint_648" [InNet('MISO')] p439: maxlimit=10 minlimit=8 preferedwidth=8
Width "Schematic Width Constraint_647" [InNet('MISO')] p440: maxlimit=10 minlimit=8 preferedwidth=8
Width "Schematic Width Constraint_646" [InNet('I2C_DATA')] p441: maxlimit=10 minlimit=8 preferedwidth=8
Width "Schematic Width Constraint_645" [InNet('I2C_DATA')] p442: maxlimit=10 minlimit=8 preferedwidth=8
Width "Schematic Width Constraint_644" [InNet('I2C_DATA')] p443: maxlimit=10 minlimit=8 preferedwidth=8
Width "Schematic Width Constraint_643" [InNet('I2C_DATA')] p444: maxlimit=10 minlimit=8 preferedwidth=8
Width "Schematic Width Constraint_642" [InNet('I2C_DATA')] p445: maxlimit=10 minlimit=8 preferedwidth=8
Width "Schematic Width Constraint_641" [InNet('I2C_DATA')] p446: maxlimit=10 minlimit=8 preferedwidth=8
Width "Schematic Width Constraint_640" [InNet('I2C_DATA')] p447: maxlimit=10 minlimit=8 preferedwidth=8
Width "Schematic Width Constraint_639" [InNet('I2C_DATA')] p448: maxlimit=10 minlimit=8 preferedwidth=8
Width "Schematic Width Constraint_638" [InNet('I2C_CLK')] p449: maxlimit=10 minlimit=8 preferedwidth=8
Width "Schematic Width Constraint_637" [InNet('I2C_CLK')] p450: maxlimit=10 minlimit=8 preferedwidth=8
Width "Schematic Width Constraint_636" [InNet('I2C_CLK')] p451: maxlimit=10 minlimit=8 preferedwidth=8
Width "Schematic Width Constraint_635" [InNet('I2C_CLK')] p452: maxlimit=10 minlimit=8 preferedwidth=8
Width "Schematic Width Constraint_634" [InNet('I2C_CLK')] p453: maxlimit=10 minlimit=8 preferedwidth=8
Width "Schematic Width Constraint_633" [InNet('I2C_CLK')] p454: maxlimit=10 minlimit=8 preferedwidth=8
Width "Schematic Width Constraint_632" [InNet('I2C_CLK')] p455: maxlimit=10 minlimit=8 preferedwidth=8
Width "Schematic Width Constraint_631" [InNet('I2C_CLK')] p456: maxlimit=10 minlimit=8 preferedwidth=8
Width "Schematic Width Constraint_630" [InNet('HCU')] p457: maxlimit=10 minlimit=8 preferedwidth=8
Width "Schematic Width Constraint_629" [InNet('HCU')] p458: maxlimit=10 minlimit=8 preferedwidth=8
Width "Schematic Width Constraint_628" [InNet('HCU')] p459: maxlimit=10 minlimit=8 preferedwidth=8
Width "Schematic Width Constraint_627" [InNet('HCU')] p460: maxlimit=10 minlimit=8 preferedwidth=8
Width "Schematic Width Constraint_626" [InNet('HCU')] p461: maxlimit=10 minlimit=8 preferedwidth=8
Width "Schematic Width Constraint_625" [InNet('HCU')] p462: maxlimit=10 minlimit=8 preferedwidth=8
Width "Schematic Width Constraint_624" [InNet('HCU')] p463: maxlimit=10 minlimit=8 preferedwidth=8
Width "Schematic Width Constraint_623" [InNet('HCU')] p464: maxlimit=10 minlimit=8 preferedwidth=8
Width "Schematic Width Constraint_622" [InNet('GPIO_RESERVE_15')] p465: maxlimit=10 minlimit=8 preferedwidth=8
Width "Schematic Width Constraint_621" [InNet('GPIO_RESERVE_15')] p466: maxlimit=10 minlimit=8 preferedwidth=8
Width "Schematic Width Constraint_620" [InNet('GPIO_RESERVE_15')] p467: maxlimit=10 minlimit=8 preferedwidth=8
Width "Schematic Width Constraint_619" [InNet('GPIO_RESERVE_15')] p468: maxlimit=10 minlimit=8 preferedwidth=8
Width "Schematic Width Constraint_618" [InNet('GPIO_RESERVE_15')] p469: maxlimit=10 minlimit=8 preferedwidth=8
Width "Schematic Width Constraint_617" [InNet('GPIO_RESERVE_15')] p470: maxlimit=10 minlimit=8 preferedwidth=8
Width "Schematic Width Constraint_616" [InNet('GPIO_RESERVE_15')] p471: maxlimit=10 minlimit=8 preferedwidth=8
Width "Schematic Width Constraint_615" [InNet('GPIO_RESERVE_15')] p472: maxlimit=10 minlimit=8 preferedwidth=8
Width "Schematic Width Constraint_614" [InNet('GPIO_RESERVE_14')] p473: maxlimit=10 minlimit=8 preferedwidth=8
Width "Schematic Width Constraint_613" [InNet('GPIO_RESERVE_14')] p474: maxlimit=10 minlimit=8 preferedwidth=8
Width "Schematic Width Constraint_612" [InNet('GPIO_RESERVE_14')] p475: maxlimit=10 minlimit=8 preferedwidth=8
Width "Schematic Width Constraint_611" [InNet('GPIO_RESERVE_14')] p476: maxlimit=10 minlimit=8 preferedwidth=8
Width "Schematic Width Constraint_610" [InNet('GPIO_RESERVE_14')] p477: maxlimit=10 minlimit=8 preferedwidth=8
Width "Schematic Width Constraint_609" [InNet('GPIO_RESERVE_14')] p478: maxlimit=10 minlimit=8 preferedwidth=8
Width "Schematic Width Constraint_608" [InNet('GPIO_RESERVE_14')] p479: maxlimit=10 minlimit=8 preferedwidth=8
Width "Schematic Width Constraint_607" [InNet('GPIO_RESERVE_14')] p480: maxlimit=10 minlimit=8 preferedwidth=8
Width "Schematic Width Constraint_606" [InNet('GPIO_RESERVE_13')] p481: maxlimit=10 minlimit=8 preferedwidth=8
Width "Schematic Width Constraint_605" [InNet('GPIO_RESERVE_13')] p482: maxlimit=10 minlimit=8 preferedwidth=8
Width "Schematic Width Constraint_604" [InNet('GPIO_RESERVE_13')] p483: maxlimit=10 minlimit=8 preferedwidth=8
Width "Schematic Width Constraint_603" [InNet('GPIO_RESERVE_13')] p484: maxlimit=10 minlimit=8 preferedwidth=8
Width "Schematic Width Constraint_602" [InNet('GPIO_RESERVE_13')] p485: maxlimit=10 minlimit=8 preferedwidth=8
Width "Schematic Width Constraint_601" [InNet('GPIO_RESERVE_13')] p486: maxlimit=10 minlimit=8 preferedwidth=8
Width "Schematic Width Constraint_600" [InNet('GPIO_RESERVE_13')] p487: maxlimit=10 minlimit=8 preferedwidth=8
Width "Schematic Width Constraint_599" [InNet('GPIO_RESERVE_13')] p488: maxlimit=10 minlimit=8 preferedwidth=8
Width "Schematic Width Constraint_598" [InNet('GPIO_RESERVE_12')] p489: maxlimit=10 minlimit=8 preferedwidth=8
Width "Schematic Width Constraint_597" [InNet('GPIO_RESERVE_12')] p490: maxlimit=10 minlimit=8 preferedwidth=8
Width "Schematic Width Constraint_596" [InNet('GPIO_RESERVE_12')] p491: maxlimit=10 minlimit=8 preferedwidth=8
Width "Schematic Width Constraint_595" [InNet('GPIO_RESERVE_12')] p492: maxlimit=10 minlimit=8 preferedwidth=8
Width "Schematic Width Constraint_594" [InNet('GPIO_RESERVE_12')] p493: maxlimit=10 minlimit=8 preferedwidth=8
Width "Schematic Width Constraint_593" [InNet('GPIO_RESERVE_12')] p494: maxlimit=10 minlimit=8 preferedwidth=8
Width "Schematic Width Constraint_592" [InNet('GPIO_RESERVE_12')] p495: maxlimit=10 minlimit=8 preferedwidth=8
Width "Schematic Width Constraint_591" [InNet('GPIO_RESERVE_12')] p496: maxlimit=10 minlimit=8 preferedwidth=8
Width "Schematic Width Constraint_590" [InNet('GPIO_RESERVE_11')] p497: maxlimit=10 minlimit=8 preferedwidth=8
Width "Schematic Width Constraint_589" [InNet('GPIO_RESERVE_11')] p498: maxlimit=10 minlimit=8 preferedwidth=8
Width "Schematic Width Constraint_588" [InNet('GPIO_RESERVE_11')] p499: maxlimit=10 minlimit=8 preferedwidth=8
Width "Schematic Width Constraint_587" [InNet('GPIO_RESERVE_11')] p500: maxlimit=10 minlimit=8 preferedwidth=8
Width "Schematic Width Constraint_586" [InNet('GPIO_RESERVE_11')] p501: maxlimit=10 minlimit=8 preferedwidth=8
Width "Schematic Width Constraint_585" [InNet('GPIO_RESERVE_11')] p502: maxlimit=10 minlimit=8 preferedwidth=8
Width "Schematic Width Constraint_584" [InNet('GPIO_RESERVE_11')] p503: maxlimit=10 minlimit=8 preferedwidth=8
Width "Schematic Width Constraint_583" [InNet('GPIO_RESERVE_11')] p504: maxlimit=10 minlimit=8 preferedwidth=8
Width "Schematic Width Constraint_582" [InNet('GPIO_RESERVE_10')] p505: maxlimit=10 minlimit=8 preferedwidth=8
Width "Schematic Width Constraint_581" [InNet('GPIO_RESERVE_10')] p506: maxlimit=10 minlimit=8 preferedwidth=8
Width "Schematic Width Constraint_580" [InNet('GPIO_RESERVE_10')] p507: maxlimit=10 minlimit=8 preferedwidth=8
Width "Schematic Width Constraint_579" [InNet('GPIO_RESERVE_10')] p508: maxlimit=10 minlimit=8 preferedwidth=8
Width "Schematic Width Constraint_578" [InNet('GPIO_RESERVE_10')] p509: maxlimit=10 minlimit=8 preferedwidth=8
Width "Schematic Width Constraint_577" [InNet('GPIO_RESERVE_10')] p510: maxlimit=10 minlimit=8 preferedwidth=8
Width "Schematic Width Constraint_576" [InNet('GPIO_RESERVE_10')] p511: maxlimit=10 minlimit=8 preferedwidth=8
Width "Schematic Width Constraint_575" [InNet('GPIO_RESERVE_10')] p512: maxlimit=10 minlimit=8 preferedwidth=8
Width "Schematic Width Constraint_574" [InNet('GPIO_RESERVE_9')] p513: maxlimit=10 minlimit=8 preferedwidth=8
Width "Schematic Width Constraint_573" [InNet('GPIO_RESERVE_9')] p514: maxlimit=10 minlimit=8 preferedwidth=8
Width "Schematic Width Constraint_572" [InNet('GPIO_RESERVE_9')] p515: maxlimit=10 minlimit=8 preferedwidth=8
Width "Schematic Width Constraint_571" [InNet('GPIO_RESERVE_9')] p516: maxlimit=10 minlimit=8 preferedwidth=8
Width "Schematic Width Constraint_570" [InNet('GPIO_RESERVE_9')] p517: maxlimit=10 minlimit=8 preferedwidth=8
Width "Schematic Width Constraint_569" [InNet('GPIO_RESERVE_9')] p518: maxlimit=10 minlimit=8 preferedwidth=8
Width "Schematic Width Constraint_568" [InNet('GPIO_RESERVE_9')] p519: maxlimit=10 minlimit=8 preferedwidth=8
Width "Schematic Width Constraint_567" [InNet('GPIO_RESERVE_9')] p520: maxlimit=10 minlimit=8 preferedwidth=8
Width "Schematic Width Constraint_566" [InNet('GPIO_RESERVE_8')] p521: maxlimit=10 minlimit=8 preferedwidth=8
Width "Schematic Width Constraint_565" [InNet('GPIO_RESERVE_8')] p522: maxlimit=10 minlimit=8 preferedwidth=8
Width "Schematic Width Constraint_564" [InNet('GPIO_RESERVE_8')] p523: maxlimit=10 minlimit=8 preferedwidth=8
Width "Schematic Width Constraint_563" [InNet('GPIO_RESERVE_8')] p524: maxlimit=10 minlimit=8 preferedwidth=8
Width "Schematic Width Constraint_562" [InNet('GPIO_RESERVE_8')] p525: maxlimit=10 minlimit=8 preferedwidth=8
Width "Schematic Width Constraint_561" [InNet('GPIO_RESERVE_8')] p526: maxlimit=10 minlimit=8 preferedwidth=8
Width "Schematic Width Constraint_560" [InNet('GPIO_RESERVE_8')] p527: maxlimit=10 minlimit=8 preferedwidth=8
Width "Schematic Width Constraint_559" [InNet('GPIO_RESERVE_8')] p528: maxlimit=10 minlimit=8 preferedwidth=8
Width "Schematic Width Constraint_558" [InNet('GPIO_RESERVE_7')] p529: maxlimit=10 minlimit=8 preferedwidth=8
Width "Schematic Width Constraint_557" [InNet('GPIO_RESERVE_7')] p530: maxlimit=10 minlimit=8 preferedwidth=8
Width "Schematic Width Constraint_556" [InNet('GPIO_RESERVE_7')] p531: maxlimit=10 minlimit=8 preferedwidth=8
Width "Schematic Width Constraint_555" [InNet('GPIO_RESERVE_7')] p532: maxlimit=10 minlimit=8 preferedwidth=8
Width "Schematic Width Constraint_554" [InNet('GPIO_RESERVE_7')] p533: maxlimit=10 minlimit=8 preferedwidth=8
Width "Schematic Width Constraint_553" [InNet('GPIO_RESERVE_7')] p534: maxlimit=10 minlimit=8 preferedwidth=8
Width "Schematic Width Constraint_552" [InNet('GPIO_RESERVE_7')] p535: maxlimit=10 minlimit=8 preferedwidth=8
Width "Schematic Width Constraint_551" [InNet('GPIO_RESERVE_7')] p536: maxlimit=10 minlimit=8 preferedwidth=8
Width "Schematic Width Constraint_550" [InNet('GPIO_RESERVE_6')] p537: maxlimit=10 minlimit=8 preferedwidth=8
Width "Schematic Width Constraint_549" [InNet('GPIO_RESERVE_6')] p538: maxlimit=10 minlimit=8 preferedwidth=8
Width "Schematic Width Constraint_548" [InNet('GPIO_RESERVE_6')] p539: maxlimit=10 minlimit=8 preferedwidth=8
Width "Schematic Width Constraint_547" [InNet('GPIO_RESERVE_6')] p540: maxlimit=10 minlimit=8 preferedwidth=8